# Altium PCB FPV0-3.PcbDoc (part 2 of 6)
Units mm, origin at the board's own origin, x right, y up, seen from the top; angles counter-clockwise.
Board outline 81.28 x 53.34 mm, 4 copper layers (Top Layer, GND Plane 1, 3v3 Plane 2, Bottom Layer); 180 components, 250 nets, 840 pads, 218 vias.
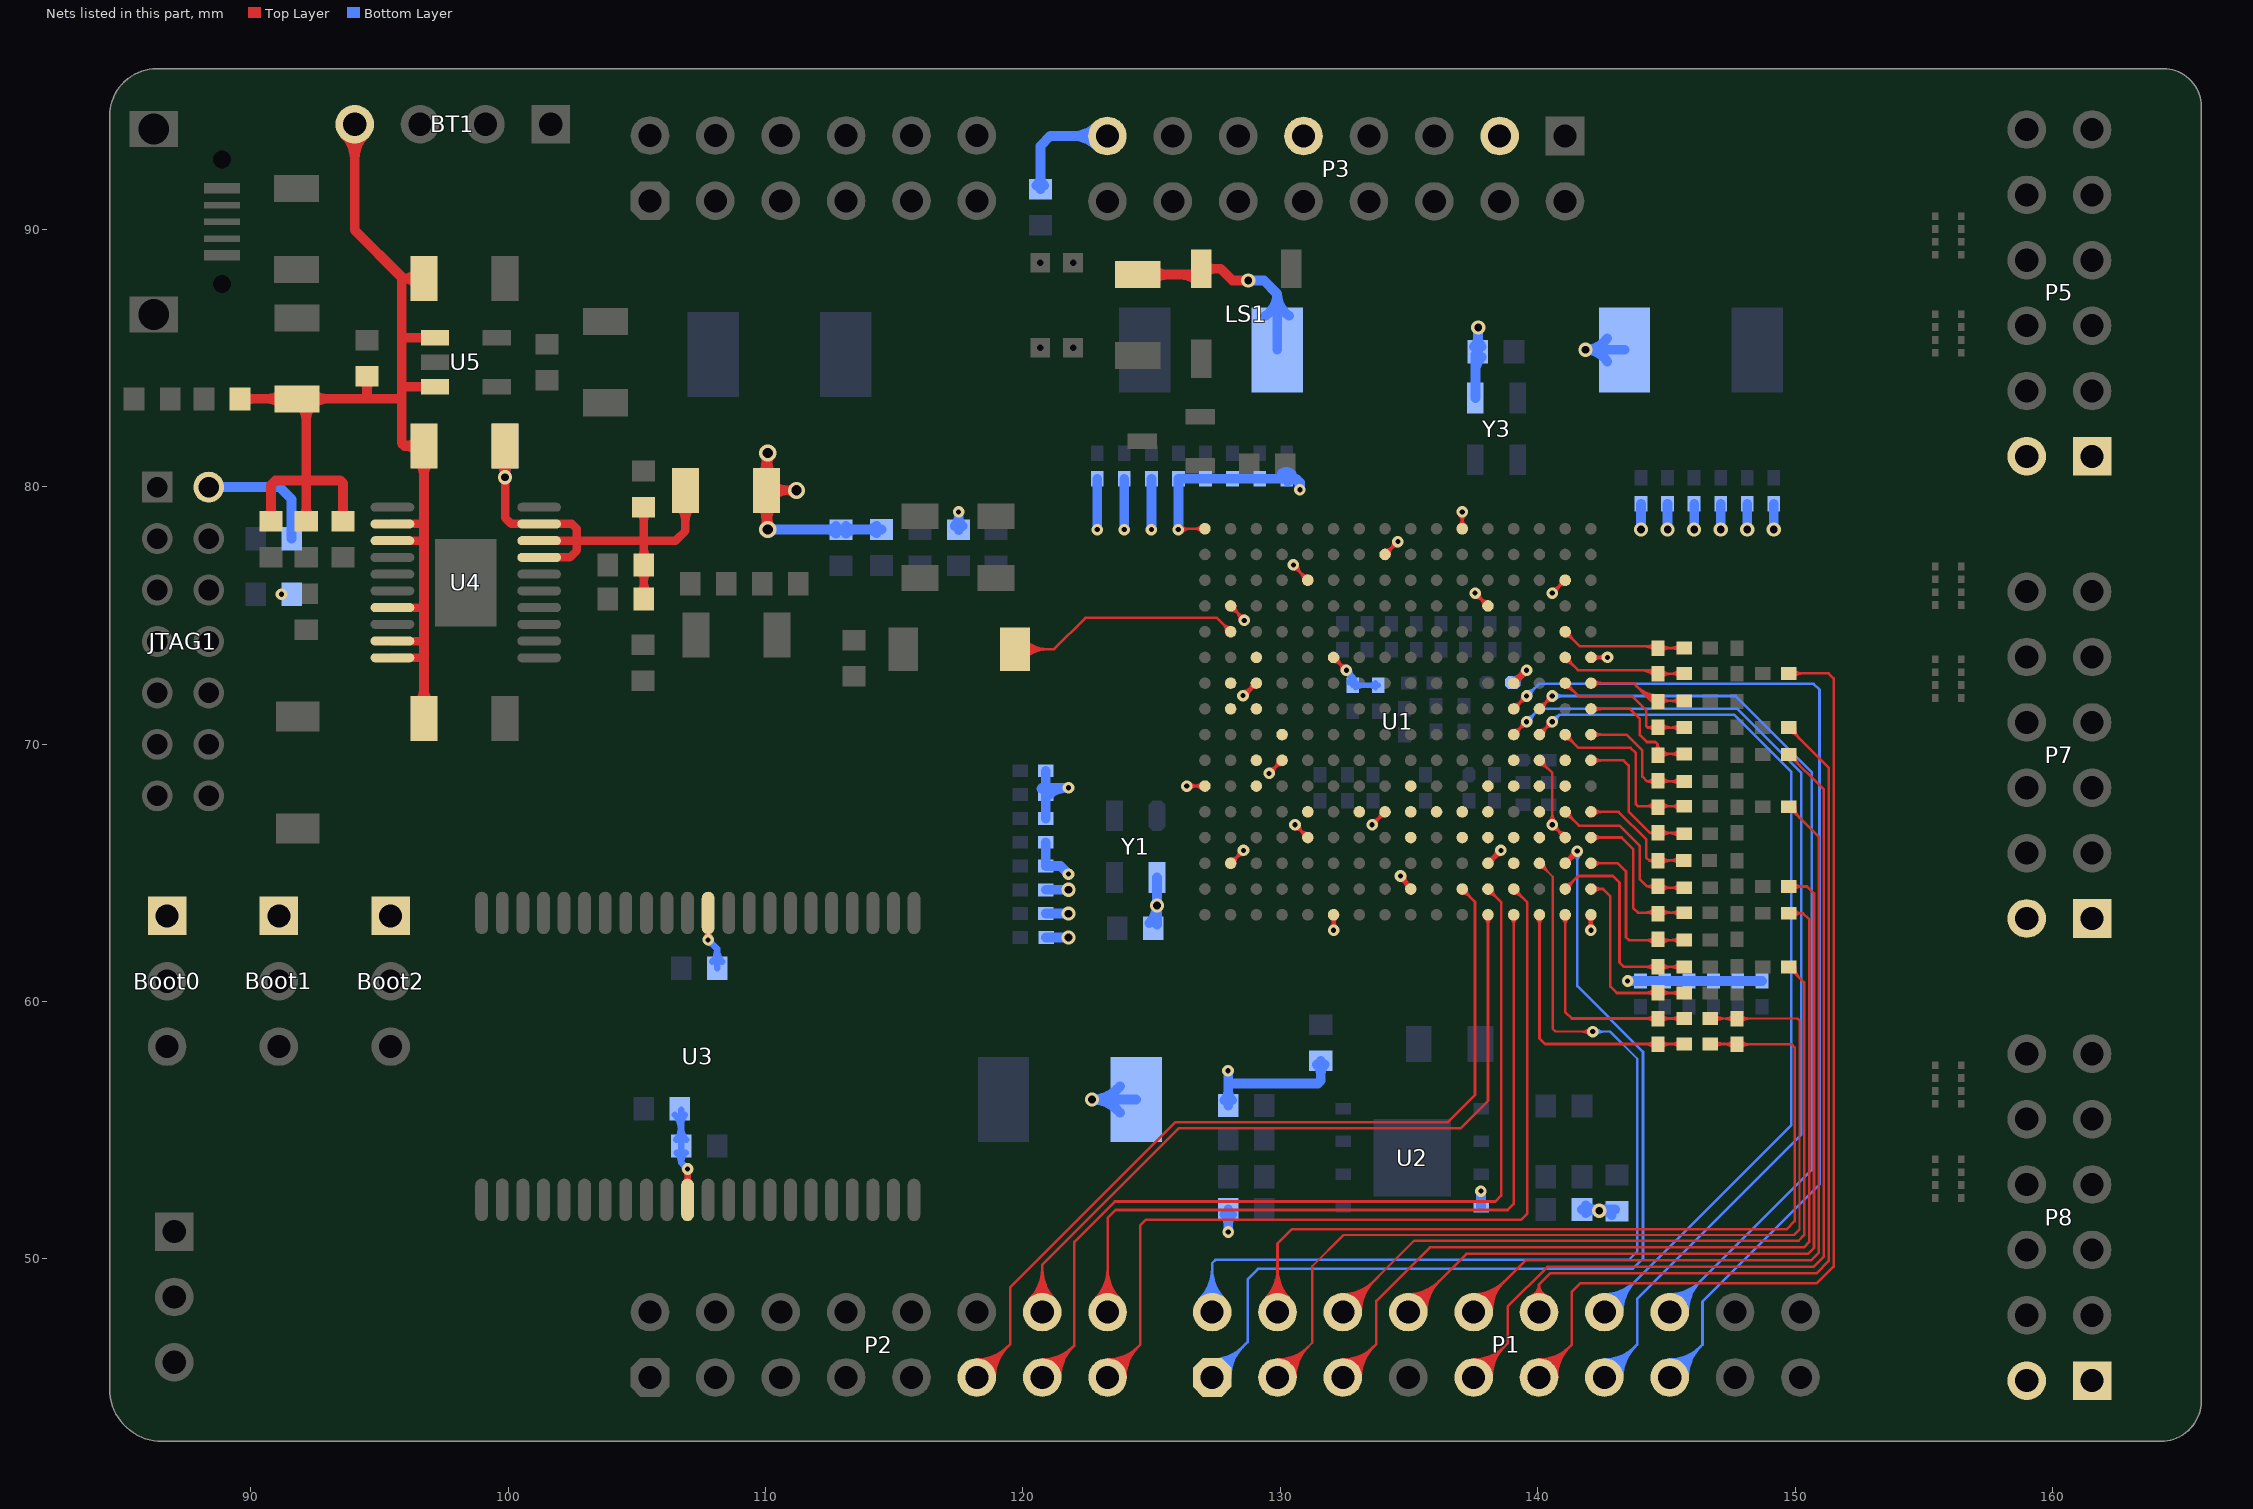
[diagram p4: the nets of this part, all layers, seen from the top]

## Via types
v1: diameter 0.45, hole 0.2, Top Layer to Bottom Layer, tented both sides, 151 vias
v2: diameter 0.55, hole 0.3, Top Layer to Bottom Layer, tented both sides, 55 vias
v3: diameter 0.45, hole 0.2, Top Layer to Bottom Layer, 6 vias
v4: diameter 0.666, hole 0.4, Top Layer to Bottom Layer, tented both sides, 4 vias
v5: diameter 0.55, hole 0.23, Top Layer to Bottom Layer, tented both sides, 1 vias
v6: diameter 0.513, hole 0.3, Top Layer to Bottom Layer, tented both sides, 1 vias

## Nets (pads, with @x,y where several pads share a name; then routed paths per layer and width w, separated by ;. In a path a pad name is that pad's centre, name@x,y a point inside that pad or via, vN(x,y) a via of type N, cw(c..) or ccw(c..) an arc to the next point about the centre after c; other vN are vias at no path point) (continued)
3V3: Boot0.1 Boot1.1 Boot2.1 C1.1 C2.2 C24.1 C25.1 C26.1 C27.1 C28.2 C29.1 C30.1 C31.1 C32.1 C33.1 C34.1 C35.2 C36.1 C37.1 C38.1 C39.1 C40.1 C41.1 C42.1 C43.1 C44.1 C45.1 C46.1 C47.1 C48.1 C49.1 C50.1 C51.1 C52.1 C53.1 C54.1 C55.1 C56.1 C60.2 C61.1 C68.2 D5.2 F3.1 JTAG1.2 LS1.1 P3.3 P3.9 P3.15 P5.1 P5.2 P7.1 P7.2 P8.1 P8.2 R3.1 R8.2 R10.2 R11.2 R12.1 R15.1 R16.1 R18.1 R32.2 R44.2 R45.2 R47.2 U1.A6 U1.A16 U1.B3 U1.B13 U1.C10 U1.D7 U1.E4 U1.E14 U1.F1 U1.H15 U1.J2 U1.J12 U1.L6 U1.L16 U1.M3 U1.M13 U1.N10 U1.P7 U1.R4 U1.R14 U1.T1 U1.T11 U2.8 U3.11 U3.33 Y1.4 Y3.4 | length 175
  Top Layer w0.102: v1(126.035,78.334) 126.067,78.366 U1.T1@127.069,78.366 ; v1@126.086,78.282 cw(c126.288,78.08) 126.288,78.366 ; v1@126.158,78.21 cw(c126.534,77.835) 126.534,78.366 ; v1@126.158,78.457 ccw(c126.377,78.676) 126.377,78.366 ; v1(126.365,68.366) U1.T11@127.069,68.366 ; v1@126.488,68.243 cw(c126.786,67.945) 126.786,68.366 cw(c126.786,68.787) v1@126.488,68.489 ; U1.T11@126.946,68.243 ccw(c126.649,67.945) 126.649,68.366 ccw(c126.649,68.787) U1.T11@126.946,68.489 ; U1.T1@126.946,78.243 ccw(c126.649,77.945) 126.649,78.366 ccw(c126.649,78.787) U1.T1@126.946,78.489 ; U1.R14@128.069,65.366 v1(128.569,65.866) ; U1.R14@128.069,65.54 ccw(c128.069,65.96) 128.366,65.663 ; U1.R4@128.069,75.192 cw(c128.069,74.771) 128.367,75.069 cw(c128.664,75.366) U1.R4@128.243,75.366 ; U1.R4@128.069,75.366 v1@128.6,74.835 ; U1.R14@128.243,65.366 cw(c128.665,65.366) 128.367,65.664 ; 128.28,75.155 cw(c127.928,74.803) v1@128.426,74.803 ; 128.357,75.078 ccw(c128.6,75.32) v1@128.6,74.977 ; v1@128.395,65.866 cw(c127.974,65.866) 128.271,65.569 cw(c128.569,65.271) v1@128.569,65.692 ; 128.454,74.982 cw(c128.275,74.803) v1@128.528,74.803 ; v1(128.549,71.882) 129.033,72.366 U1.P7@129.069,72.366 U1.P7@129.069,72.392 ; v1@128.549,72.056 ccw(c128.549,72.477) 128.847,72.179 ccw(c129.144,71.882) v1@128.724,71.882 ; v1@128.594,72.05 ccw(c128.651,72.262) 128.761,72.072 ; v1@128.605,72.047 ccw(c128.658,72.203) 128.74,72.06 ccw(c128.781,71.99) v1@128.707,71.956 ; v1@128.621,71.868 cw(c128.931,71.805) 128.773,72.079 ; 128.711,72.043 cw(c129.069,71.685) U1.P7@129.069,72.192 ; v1@128.72,71.847 cw(c129.225,71.745) U1.P7@128.967,72.192 ; 128.797,72.13 ccw(c128.561,72.366) U1.P7@128.895,72.366 ; 128.884,72.217 cw(c129.069,72.032) U1.P7@129.069,72.293 ; v1(129.563,68.859) U1.N10@130.069,69.366 ; v1@129.563,69.034 ccw(c129.563,69.454) 129.86,69.157 ccw(c130.157,68.859) v1@129.737,68.859 ; U1.N10@129.895,69.366 cw(c129.474,69.366) 129.772,69.069 cw(c130.069,68.771) U1.N10@130.069,69.192 ; v1@130.502,76.932 U1.M3@131.069,76.366 ; v1@130.505,76.788 cw(c130.505,76.446) 130.747,76.688 ; v1@130.569,66.692 cw(c130.569,66.271) 130.866,66.569 cw(c131.164,66.866) v1@130.743,66.866 ; v1(130.569,66.866) U1.M13@131.069,66.366 ; v1@130.578,76.962 ccw(c130.832,76.962) 130.652,76.782 ; v1@130.679,76.962 ccw(c131.179,76.962) 130.826,76.609 ; 130.771,66.664 ccw(c131.069,66.962) U1.M13@131.069,66.54 ; 130.77,76.664 ccw(c131.069,76.963) U1.M3@131.069,76.54 ; 130.772,66.663 cw(c130.475,66.366) U1.M13@130.895,66.366 ; 130.772,76.662 cw(c130.476,76.366) U1.M3@130.895,76.366 ; v1@131.946,62.887 ccw(c131.649,63.184) 132.069,63.184 ccw(c132.49,63.184) v1@132.192,62.887 ; U1.L16@131.946,63.243 cw(c131.649,62.945) 132.069,62.945 cw(c132.49,62.945) U1.L16@132.192,63.243 ; v1@131.971,62.907 ccw(c131.883,63.036) 132.034,63.077 ; v1@131.982,62.914 ccw(c131.852,63.139) 132.103,63.072 ; 132.035,63.072 ccw(c132.286,63.139) v1@132.156,62.914 ; v1(132.069,62.763) U1.L16@132.069,63.366 ; U1.L6@132.069,73.192 cw(c132.069,72.772) 132.366,73.069 ; U1.L6@132.069,73.366 v1(132.569,72.866) ; 132.104,63.077 ccw(c132.255,63.036) v1@132.167,62.907 ; U1.L6@132.243,73.366 ccw(c132.664,73.366) 132.367,73.068 ; v1@132.395,72.866 ccw(c131.974,72.866) 132.272,73.163 ccw(c132.569,73.461) v1@132.569,73.04 ; v1(133.569,66.866) U1.J12@134.069,67.366 ; v1@133.569,67.04 ccw(c133.569,67.46) 133.866,67.163 ccw(c134.164,66.866) v1@133.743,66.866 ; U1.J12@133.895,67.366 cw(c133.474,67.366) 133.772,67.069 cw(c134.069,66.771) U1.J12@134.069,67.192 ; U1.J2@134.069,77.366 v1(134.569,77.866) ; U1.J2@134.069,77.54 ccw(c134.069,77.961) 134.367,77.663 ccw(c134.664,77.366) U1.J2@134.243,77.366 ; v1@134.395,77.866 cw(c133.974,77.866) 134.271,77.568 cw(c134.569,77.271) v1@134.569,77.691 ; v1@134.641,64.7 cw(c134.584,64.37) 134.875,64.537 cw(c135.197,64.724) v1@134.838,64.824 ; v1@134.671,64.697 cw(c134.671,64.277) 134.968,64.574 cw(c135.266,64.872) v1@134.845,64.872 ; v1(134.671,64.872) 135.069,64.473 U1.H15@135.069,64.366 ; v1@134.696,64.846 cw(c134.216,64.366) U1.H15@134.895,64.366 ; 134.869,64.673 cw(c134.563,64.366) U1.H15@134.997,64.366 ; 134.955,64.588 ccw(c135.069,64.702) U1.H15@135.069,64.54 ; U1.F1@136.946,78.489 ccw(c136.649,78.787) 137.069,78.787 ccw(c137.49,78.787) U1.F1@137.192,78.489 ; v1@136.946,78.896 cw(c136.649,78.599) 137.069,78.599 cw(c137.49,78.599) v1@137.192,78.896 ; U1.F1@137.069,78.366 v1(137.069,79.019) ; v1@137.569,75.692 cw(c137.569,75.271) 137.866,75.569 cw(c138.164,75.866) v1@137.743,75.866 ; v1(137.569,75.866) U1.E4@138.069,75.366 ; 137.771,75.664 ccw(c138.069,75.961) U1.E4@138.069,75.54 ; 137.772,75.663 cw(c137.475,75.366) U1.E4@137.895,75.366 ; U1.C10@140.069,69.192 cw(c140.069,68.771) 140.367,69.069 cw(c140.664,69.366) U1.C10@140.243,69.366 ; U1.C10@140.069,69.366 140.57,68.866 v1(140.569,66.866) U1.B13@141.069,66.366 ; v1@140.446,66.989 ccw(c140.146,67.288) 140.57,67.288 ; v1@140.569,66.691 cw(c140.569,66.269) 140.868,66.568 ; v1(140.569,75.866) U1.B3@141.069,76.366 ; v1@140.569,76.04 ccw(c140.569,76.46) 140.866,76.163 ccw(c141.164,75.866) v1@140.743,75.866 ; 140.57,67.284 ccw(c140.987,67.284) v1@140.692,66.989 ; v1@140.743,66.866 ccw(c141.162,66.866) 140.866,66.57 ; U1.B13@140.895,66.366 ccw(c140.474,66.366) 140.772,66.663 ccw(c141.069,66.961) U1.B13@141.069,66.54 ; U1.B3@140.895,76.366 cw(c140.474,76.366) 140.772,76.069 cw(c141.069,75.771) U1.B3@141.069,76.192 ; v1@141.946,62.887 ccw(c141.649,63.184) 142.069,63.184 ccw(c142.49,63.184) v1@142.192,62.887 ; U1.A16@141.946,63.243 cw(c141.649,62.945) 142.069,62.945 cw(c142.49,62.945) U1.A16@142.192,63.243 ; v1@141.971,62.907 ccw(c141.883,63.036) 142.034,63.077 ; v1@141.982,62.914 ccw(c141.852,63.139) 142.103,63.072 ; 142.035,63.072 ccw(c142.286,63.139) v1@142.156,62.914 ; v1(142.069,62.763) U1.A16@142.069,63.366 ; U1.A6@142.069,73.366 v1(142.712,73.366) ; 142.104,63.077 ccw(c142.255,63.036) v1@142.167,62.907 ; U1.A6@142.192,73.243 cw(c142.49,72.945) 142.49,73.366 cw(c142.49,73.787) U1.A6@142.192,73.489 ; 142.376,73.335 cw(c142.422,73.161) v1@142.57,73.265 ; 142.376,73.397 ccw(c142.422,73.571) v1@142.57,73.467 ; 142.425,73.349 ccw(c142.367,73.565) v1@142.561,73.453 ; 142.425,73.383 cw(c142.367,73.167) v1@142.561,73.279 ; v1@142.589,73.243 ccw(c142.291,72.945) 142.291,73.366 ccw(c142.291,73.787) v1@142.589,73.489
  Top Layer w0.203: U1.E14@138.069,65.366 v1(138.569,65.866) ; U1.E14@138.069,65.489 ccw(c138.069,65.787) 138.28,65.577 ccw(c138.491,65.366) U1.E14@138.193,65.366 ; v1@138.446,65.866 cw(c138.148,65.866) 138.358,65.655 cw(c138.569,65.445) v1@138.569,65.743
  Top Layer w0.254: U3.11@106.879,52.948 ccw(c106.669,53.158) 106.966,53.158 ccw(c107.263,53.158) U3.11@107.053,52.948 ; v1@106.897,53.417 cw(c106.729,53.249) 106.966,53.249 cw(c107.202,53.249) v1@107.035,53.417 ; U3.11@106.966,52.286 v1(106.966,53.486) ; U3.33@107.679,62.774 cw(c107.469,62.564) 107.766,62.564 cw(c108.063,62.564) U3.33@107.853,62.774 ; v1@107.697,62.458 ccw(c107.529,62.625) 107.766,62.625 ccw(c108.002,62.625) v1@107.835,62.458 ; v1@107.697,62.459 ccw(c107.57,62.59) U3.33@107.746,62.637 ; v1(107.766,62.389) U3.33@107.766,63.436 ; U3.33@107.785,62.637 ccw(c107.961,62.59) v1@107.834,62.459 ; U1.D7@139.069,72.366 v1(139.569,72.866) ; U1.D7@139.069,72.464 ccw(c139.069,72.7) 139.236,72.533 ccw(c139.404,72.366) U1.D7@139.167,72.366 ; v1@139.471,72.866 cw(c139.234,72.866) 139.402,72.699 cw(c139.569,72.531) v1@139.569,72.768
  Top Layer w0.381: F3.1@109.796,79.271 cw(c109.103,78.578) v4@110.084,78.578 ; F3.1@109.796,80.444 ccw(c109.103,81.137) v4@110.084,81.137 ; v4@109.96,78.405 ccw(c109.475,78.685) 110.016,78.83 ; v4@109.96,81.234 cw(c109.534,80.988) 110.009,80.86 ; v4@109.983,78.434 ccw(c109.74,78.678) 110.084,78.678 ccw(c110.428,78.678) v4@110.184,78.434 ; v4@109.983,81.205 cw(c109.74,80.961) 110.084,80.961 cw(c110.428,80.961) v4@110.184,81.205 ; v4(110.084,78.334) F3.1@110.084,79.858 ; 110.084,78.822 cw(c110.718,78.822) F3.1@110.27,79.271 ; 110.084,80.893 ccw(c110.718,80.893) F3.1@110.27,80.444 ; v4(110.084,81.305) F3.1@110.084,79.858 ; F3.1@110.27,79.621 cw(c110.841,79.05) 110.841,79.858 cw(c110.841,80.665) F3.1@110.27,80.094 ; v4@111.1,79.757 ccw(c110.857,79.514) 110.857,79.858 ccw(c110.857,80.202) v4@111.1,79.958 ; v4(111.201,79.858) F3.1@110.084,79.858 ; D5.2@124.46,88.24 LS1.1@126.701,88.24 ; D5.2@125.047,88.003 cw(c125.618,87.432) 125.618,88.24 cw(c125.618,89.047) D5.2@125.047,88.476 ; 126.121,88.24 cw(c126.121,87.31) LS1.1@126.778,87.967 ; LS1.1@126.926,88.466 127.688,88.466 128.143,88.011 v2(128.753,88.011) ; LS1.1@127.075,88.317 cw(c127.432,87.96) 127.432,88.466 cw(c127.432,88.971) LS1.1@127.075,88.614
  Bottom Layer w0.203: v1@132.569,72.743 cw(c132.569,72.445) 132.78,72.655 cw(c132.99,72.866) v1@132.692,72.866 ; C28.2@132.677,72.381 ccw(c132.241,72.538) v1(132.569,72.866) 132.817,72.618 ; C28.2@132.73,72.451 ccw(c132.611,72.618) 132.817,72.618 ; 132.795,72.64 cw(c132.573,72.418) C28.2@132.868,72.312 ; C28.2@132.903,72.451 cw(c133.022,72.618) 132.817,72.618 ; C28.2@132.922,72.175 cw(c133.175,71.922) 133.175,72.28 cw(c133.175,72.639) C28.2@132.922,72.385 ; C35.2@133.702,72.175 ccw(c133.449,71.922) 133.449,72.28 ccw(c133.449,72.639) C35.2@133.702,72.385 ; C35.2@133.807,72.28 C28.2@132.817,72.28 132.817,72.618
  Bottom Layer w0.254: R47.2@106.476,55.586 cw(c105.894,55.005) 106.717,55.005 ; C60.2@106.524,54.624 ccw(c106.058,55.09) 106.717,55.09 ccw(c107.376,55.09) C60.2@106.91,54.624 ; C60.2@106.538,54.125 cw(c106.202,53.735) 106.717,53.735 ; 106.717,55.236 cw(c107.212,55.236) R47.2@106.862,55.586 ; R47.2@106.717,55.781 C60.2@106.717,54.381 106.717,53.735 ; v1@106.868,53.486 ccw(c106.631,53.486) 106.799,53.653 ccw(c106.966,53.821) v1@106.966,53.584 ; C60.2@106.895,54.125 ccw(c107.231,53.735) 106.717,53.735 ; v1(106.966,53.486) 106.717,53.735 ; v1@107.766,62.291 cw(c107.766,62.054) 107.933,62.222 cw(c108.1,62.389) v1@107.864,62.389 ; v1(107.766,62.389) 108.117,62.038 C61.1@108.117,61.29 ; C61.1@107.924,61.533 ccw(c107.458,61.999) 108.117,61.999 ccw(c108.776,61.999) C61.1@108.31,61.533 ; R3.1@139.032,72.39 139.093,72.39 v1(139.569,72.866) ; R3.1@139.082,72.513 ccw(c139.082,72.837) 139.311,72.608 ; R3.1@139.205,72.39 cw(c139.474,72.39) 139.284,72.581 ; v1@139.471,72.866 cw(c139.234,72.866) 139.402,72.699 cw(c139.569,72.531) v1@139.569,72.768
  Bottom Layer w0.381: JTAG1.2@88.36,79.985 91.11,79.985 91.581,79.513 R44.2@91.581,77.978 ; v4(110.084,78.334) R11.2@114.5,78.334 ; v4@110.184,78.233 cw(c110.428,77.99) 110.428,78.334 cw(c110.428,78.678) v4@110.184,78.434 ; 112.346,78.334 cw(c112.346,77.79) R10.2@112.73,78.174 ; 112.4,78.334 ccw(c112.4,78.801) R10.2@112.73,78.471 ; R10.2@113.127,78.174 cw(c113.511,77.79) 113.511,78.334 ; R10.2@113.127,78.471 ccw(c113.457,78.801) 113.457,78.334 ; 113.94,78.334 ccw(c113.94,78.85) R11.2@114.305,78.485 ; 113.955,78.334 cw(c113.955,77.838) R11.2@114.305,78.188 ; R8.2@117.352,78.471 ccw(c116.995,78.828) 117.5,78.828 ccw(c118.006,78.828) R8.2@117.649,78.471 ; R8.2@117.5,78.322 v1(117.5,79.019) ; R32.2@120.527,91.704 ccw(c120.17,92.062) 120.675,92.062 ccw(c121.181,92.062) R32.2@120.824,91.704 ; R32.2@120.675,91.556 120.675,93.243 121.058,93.626 P3.15@123.282,93.626 ; C32.1@120.711,68.263 cw(c120.801,68.172) 120.801,68.301 ; C53.1@120.888,63.409 v2(121.768,63.409) ; C49.1@120.888,64.335 v2(121.768,64.335) ; C41.1@120.888,66.185 C45.1@120.888,65.26 121.456,65.26 v1(121.768,64.948) ; C37.1@120.888,67.11 C32.1@120.888,68.036 C27.1@120.888,68.961 ; C55.1@120.896,62.484 v2(121.768,62.484) ; 120.939,68.301 v1(121.768,68.301) ; C32.1@120.98,67.994 cw(c121.721,67.253) v1@121.721,68.301 ; v1(122.885,78.334) C26.1@122.885,80.305 ; P3.15@122.886,93.23 ccw(c121.931,92.275) 121.931,93.626 ccw(c121.931,94.976) P3.15@122.886,94.021 ; C50.1@123.768,55.671 ccw(c122.682,54.781) v2(122.682,56.185) ; C50.1@123.768,56.698 cw(c122.682,57.589) v2(122.682,56.185) ; v1(123.937,78.334) C54.1@123.937,80.305 ; C50.1@124.393,56.185 v2(122.682,56.185) ; C2.2@124.91,63.038 ccw(c124.188,63.76) v2@125.209,63.76 ; v1(124.99,78.334) C52.1@124.99,80.305 ; C2.2@125.209,62.99 v2(125.209,63.729) Y1.4@125.209,64.814 ; v1@126.042,78.334 C48.1@126.042,80.305 C44.1@127.094,80.305 C40.1@128.147,80.305 C36.1@129.199,80.305 C31.1@130.251,80.305 130.616,80.305 ; R12.1@127.828,51.719 cw(c127.471,51.362) 127.976,51.362 cw(c128.482,51.362) R12.1@128.125,51.719 ; R15.1@127.828,56.154 ccw(c127.471,56.512) 127.976,56.512 ccw(c128.482,56.512) R15.1@128.125,56.154 ; v1(127.965,57.302) 127.976,57.291 127.976,56.871 ; v1(127.976,51.04) R12.1@127.976,51.918 ; R15.1@127.976,55.956 127.976,56.871 ; v2(128.753,88.011) 129.362,88.011 129.88,87.493 ; C51.1@129.426,86.639 ccw(c128.849,87.493) 129.88,87.493 ; C51.1@129.88,85.319 129.88,87.493 ; C31.1@130.069,80.521 cw(c130.232,80.284) C31.1@130.435,80.487 ; C31.1@130.285,80.206 cw(c130.496,79.899) 130.759,80.162 ; C51.1@130.333,86.639 cw(c130.911,87.493) 129.88,87.493 ; v1@130.726,79.892 ccw(c130.315,80.004) 130.616,80.305 ; v1(130.759,79.883) 130.759,80.162 ; R16.1@131.424,57.546 cw(c131.066,57.189) 131.572,57.189 cw(c132.078,57.189) R16.1@131.72,57.546 ; R16.1@131.572,57.695 131.572,56.921 131.461,56.811 128.036,56.811 127.976,56.871 ; C68.2@137.531,85.441 ccw(c137.173,85.798) 137.679,85.798 ccw(c138.185,85.798) C68.2@137.827,85.441 ; Y3.4@137.579,83.445 C68.2@137.579,85.142 ; 137.579,84.445 cw(c138.427,84.445) C68.2@137.827,85.044 ; C68.2@137.679,85.242 v2@137.679,86.168 ; U2.8@137.795,52.027 v1(137.795,52.629) ; R18.1@141.721,51.918 C1.1@143.013,51.918 ; R18.1@141.869,51.769 cw(c142.227,51.412) 142.227,51.918 cw(c142.227,52.423) R18.1@141.869,52.066 ; R18.1@142.066,51.918 cw(c142.066,51.54) v2@142.333,51.807 ; v2@142.366,51.918 cw(c142.366,51.19) C1.1@142.88,51.704 ; v2@142.452,51.807 cw(c142.719,51.54) C1.1@142.719,51.918 ; C56.1@142.7,84.869 ccw(c141.859,84.307) v2(141.859,85.319) ; C56.1@142.7,85.768 cw(c141.859,86.33) v2(141.859,85.319) ; C56.1@143.373,85.319 v2(141.859,85.319) ; v1(143.494,60.792) C24.1@143.993,60.792 C29.1@144.937,60.792 C33.1@145.882,60.792 C38.1@146.827,60.792 C42.1@147.772,60.792 C46.1@148.717,60.792 ; v2(144.018,78.334) C47.1@144.018,79.34 ; v2(145.049,78.334) C43.1@145.049,79.34 ; v2(146.08,78.334) C39.1@146.08,79.34 ; v2(147.112,78.334) C34.1@147.112,79.34 ; v2(148.143,78.334) C30.1@148.143,79.34 ; v2(149.174,78.334) C25.1@149.174,79.34 ; 130.616,80.305 130.759,80.162
  other v1: 128.6,74.803 91.186,75.819 130.505,76.962
  other v2: 142.392,51.867 137.693,86.182
3V3_IN: C64.1 D2.1 D7.2 F3.2 R29.1 R31.1 U4.17 U4.18 U4.19 | length 28
  Top Layer w0.33: D2.1@99.619,80.98 cw(c99.004,80.366) v2(99.873,80.366) cw(c100.742,80.366) D2.1@100.127,80.98 ; D2.1@99.873,81.585 99.873,78.791 100.112,78.551 U4.19@101.199,78.551 102.475,78.551 102.669,78.356 102.669,77.901 ; U4.17@101.199,77.251 102.397,77.251 102.667,77.521 102.667,77.899 102.669,77.901 ; U4.18@101.199,77.901 102.669,77.901 ; C64.1@105.091,79.042 cw(c104.656,78.607) 105.272,78.607 ; R31.1@105.106,75.857 ccw(c104.705,76.258) 105.272,76.258 ccw(c105.839,76.258) R31.1@105.438,75.857 ; R29.1@105.106,76.746 cw(c104.705,76.345) 105.272,76.345 cw(c105.839,76.345) R29.1@105.438,76.746 ; R29.1@105.106,77.178 ccw(c104.705,77.579) 105.272,77.579 ccw(c105.839,77.579) R29.1@105.438,77.178 ; R31.1@105.272,75.641 R29.1@105.272,76.962 105.272,77.901 ; 105.272,78.676 cw(c105.79,78.676) C64.1@105.424,79.042 ; C64.1@105.272,79.169 105.272,77.901 ; F3.2@106.629,79.253 cw(c106.014,78.639) 106.883,78.639 cw(c107.752,78.639) F3.2@107.137,79.253 ; F3.2@106.883,79.858 106.883,78.283 106.502,77.901 105.272,77.901 ; 102.669,77.901 105.272,77.901
  Bottom Layer w0.33: D7.2@99.619,80.98 cw(c99.005,80.366) v2(99.873,80.366) ; D7.2@99.873,81.585 v2(99.873,80.366) cw(c100.742,80.366) D7.2@100.127,80.98
5V0: BT1.4 C21.1 C62.2 D1.2 D2.2 D3.2 F1.1 L4.1 R21.1 R28.2 U4.2 U4.3 U4.7 U4.9 U4.10 U5.1 U5.3 | length 66.2
  Top Layer w0.33: U4.10@95.499,73.351 96.723,73.351 ; U4.9@95.499,74.001 96.723,74.001 ; U4.7@95.499,75.301 96.662,75.301 ; U4.3@95.499,77.901 96.722,77.901 ; U4.2@95.499,78.551 96.687,78.551
  Top Layer w0.381: L4.1@89.575,83.414 F1.1@91.796,83.413 95.784,83.413 ; L4.1@89.723,83.265 cw(c90.08,82.908) 90.08,83.414 cw(c90.08,83.919) L4.1@89.723,83.562 ; C21.1@90.631,78.801 ccw(c90.274,79.158) 90.78,79.158 ccw(c91.285,79.158) C21.1@90.928,78.801 ; 90.638,83.414 cw(c90.638,82.605) F1.1@91.209,83.177 ; 90.639,83.414 ccw(c90.639,84.22) F1.1@91.209,83.65 ; C21.1@90.78,78.653 90.78,80.061 90.957,80.239 92.151,80.239 ; F1.1@91.909,83.177 cw(c91.325,82.592) 92.151,82.592 ; R21.1@92.003,78.801 ccw(c91.645,79.158) 92.151,79.158 ccw(c92.657,79.158) R21.1@92.299,78.801 ; R21.1@92.151,78.653 92.151,80.239 ; 92.151,82.619 cw(c92.94,82.619) 92.382,83.177 cw(c92.953,82.606) 92.953,83.413 cw(c92.953,84.221) F1.1@92.382,83.65 ; F1.1@92.151,83.058 92.151,80.239 ; R28.2@93.425,78.801 ccw(c93.068,79.158) 93.574,79.158 ccw(c94.079,79.158) R28.2@93.722,78.801 ; R28.2@93.574,78.653 93.574,80.137 93.472,80.239 92.151,80.239 ; BT1.4@93.635,93.686 cw(c92.68,92.731) 94.031,92.731 cw(c95.382,92.731) BT1.4@94.426,93.686 ; BT1.4@94.031,94.082 94.031,89.967 95.86,88.138 95.86,85.786 ; C62.2@94.365,84.14 cw(c94.008,83.783) 94.513,83.783 cw(c95.019,83.783) C62.2@94.662,84.14 ; 94.513,83.439 C62.2@94.513,84.288 ; 95.86,88.087 D3.2@96.723,88.087 ; D2.2@96.477,81.358 ccw(c95.961,80.885) 95.961,81.585 ; D2.2@96.477,81.811 cw(c95.961,82.285) 95.961,81.585 ; D1.2@96.486,71.58 ccw(c95.915,72.151) 96.723,72.151 ccw(c97.531,72.151) D1.2@96.96,71.58 ; D2.2@96.486,80.998 cw(c95.915,80.427) 96.723,80.427 cw(c97.531,80.427) D2.2@96.96,80.998 ; D3.2@96.486,87.851 ccw(c95.915,87.28) 95.915,88.087 ccw(c95.915,88.895) D3.2@96.486,88.324 ; D1.2@96.723,70.993 96.723,73.351 96.723,74.001 D2.2@96.723,81.585 95.961,81.585 ; U5.3@97.149,83.886 95.86,83.886 ; U5.1@97.149,85.786 95.86,85.786 ; 95.86,83.886 95.86,81.686 95.961,81.585 ; 95.86,83.886 95.86,85.786
AD1_N: C57.1 R4.1 U1.A10 | length 8.6
  Top Layer w0.102: U1.A10@142.069,69.366 143.334,69.366 143.535,69.164 143.535,67.386 144.374,66.548 ; U1.A10@142.192,69.243 cw(c142.49,68.945) 142.49,69.366 cw(c142.49,69.787) U1.A10@142.192,69.489 ; C57.1@144.496,66.468 ccw(c144.374,66.414) 144.374,66.548 ; C57.1@144.496,66.628 cw(c144.374,66.682) 144.374,66.548 ; C57.1@144.819,66.407 cw(c145.159,66.067) 145.159,66.548 cw(c145.159,67.029) C57.1@144.819,66.689 ; 145.087,66.548 cw(c145.087,65.948) R4.1@145.512,66.372 ; 145.256,66.548 ccw(c145.256,66.91) R4.1@145.512,66.654 ; 145.333,66.548 cw(c145.333,66.193) R4.1@145.583,66.444 ; R4.1@145.702,66.513 145.668,66.548 C57.1@144.678,66.548 144.374,66.548
AD1_P: C57.2 R2.1 U1.B9 | length 10.3
  Top Layer w0.102: U1.B9@141.069,70.192 cw(c141.069,69.771) 141.367,70.069 cw(c141.664,70.366) U1.B9@141.243,70.366 ; U1.B9@141.069,70.366 141.585,69.85 143.608,69.85 143.815,69.643 143.815,67.666 143.899,67.581 R2.1@145.702,67.581 ; 144.157,67.581 ccw(c144.157,68.119) C57.2@144.538,67.739 ; 144.238,67.581 cw(c144.238,67.157) C57.2@144.538,67.457 ; 144.403,67.581 ccw(c144.403,67.874) C57.2@144.609,67.667 ; C57.2@144.747,67.667 ccw(c144.954,67.874) 144.954,67.581 ; C57.2@144.819,67.457 cw(c145.119,67.157) 145.119,67.581 ; C57.2@144.819,67.739 ccw(c145.199,68.119) 145.199,67.581 ; R2.1@145.512,67.441 ccw(c145.171,67.1) 145.171,67.581 ccw(c145.171,68.062) R2.1@145.512,67.722